# Allegro board 1155001-Timing_board_V3_20241024_1805_pcb.brd (continued)
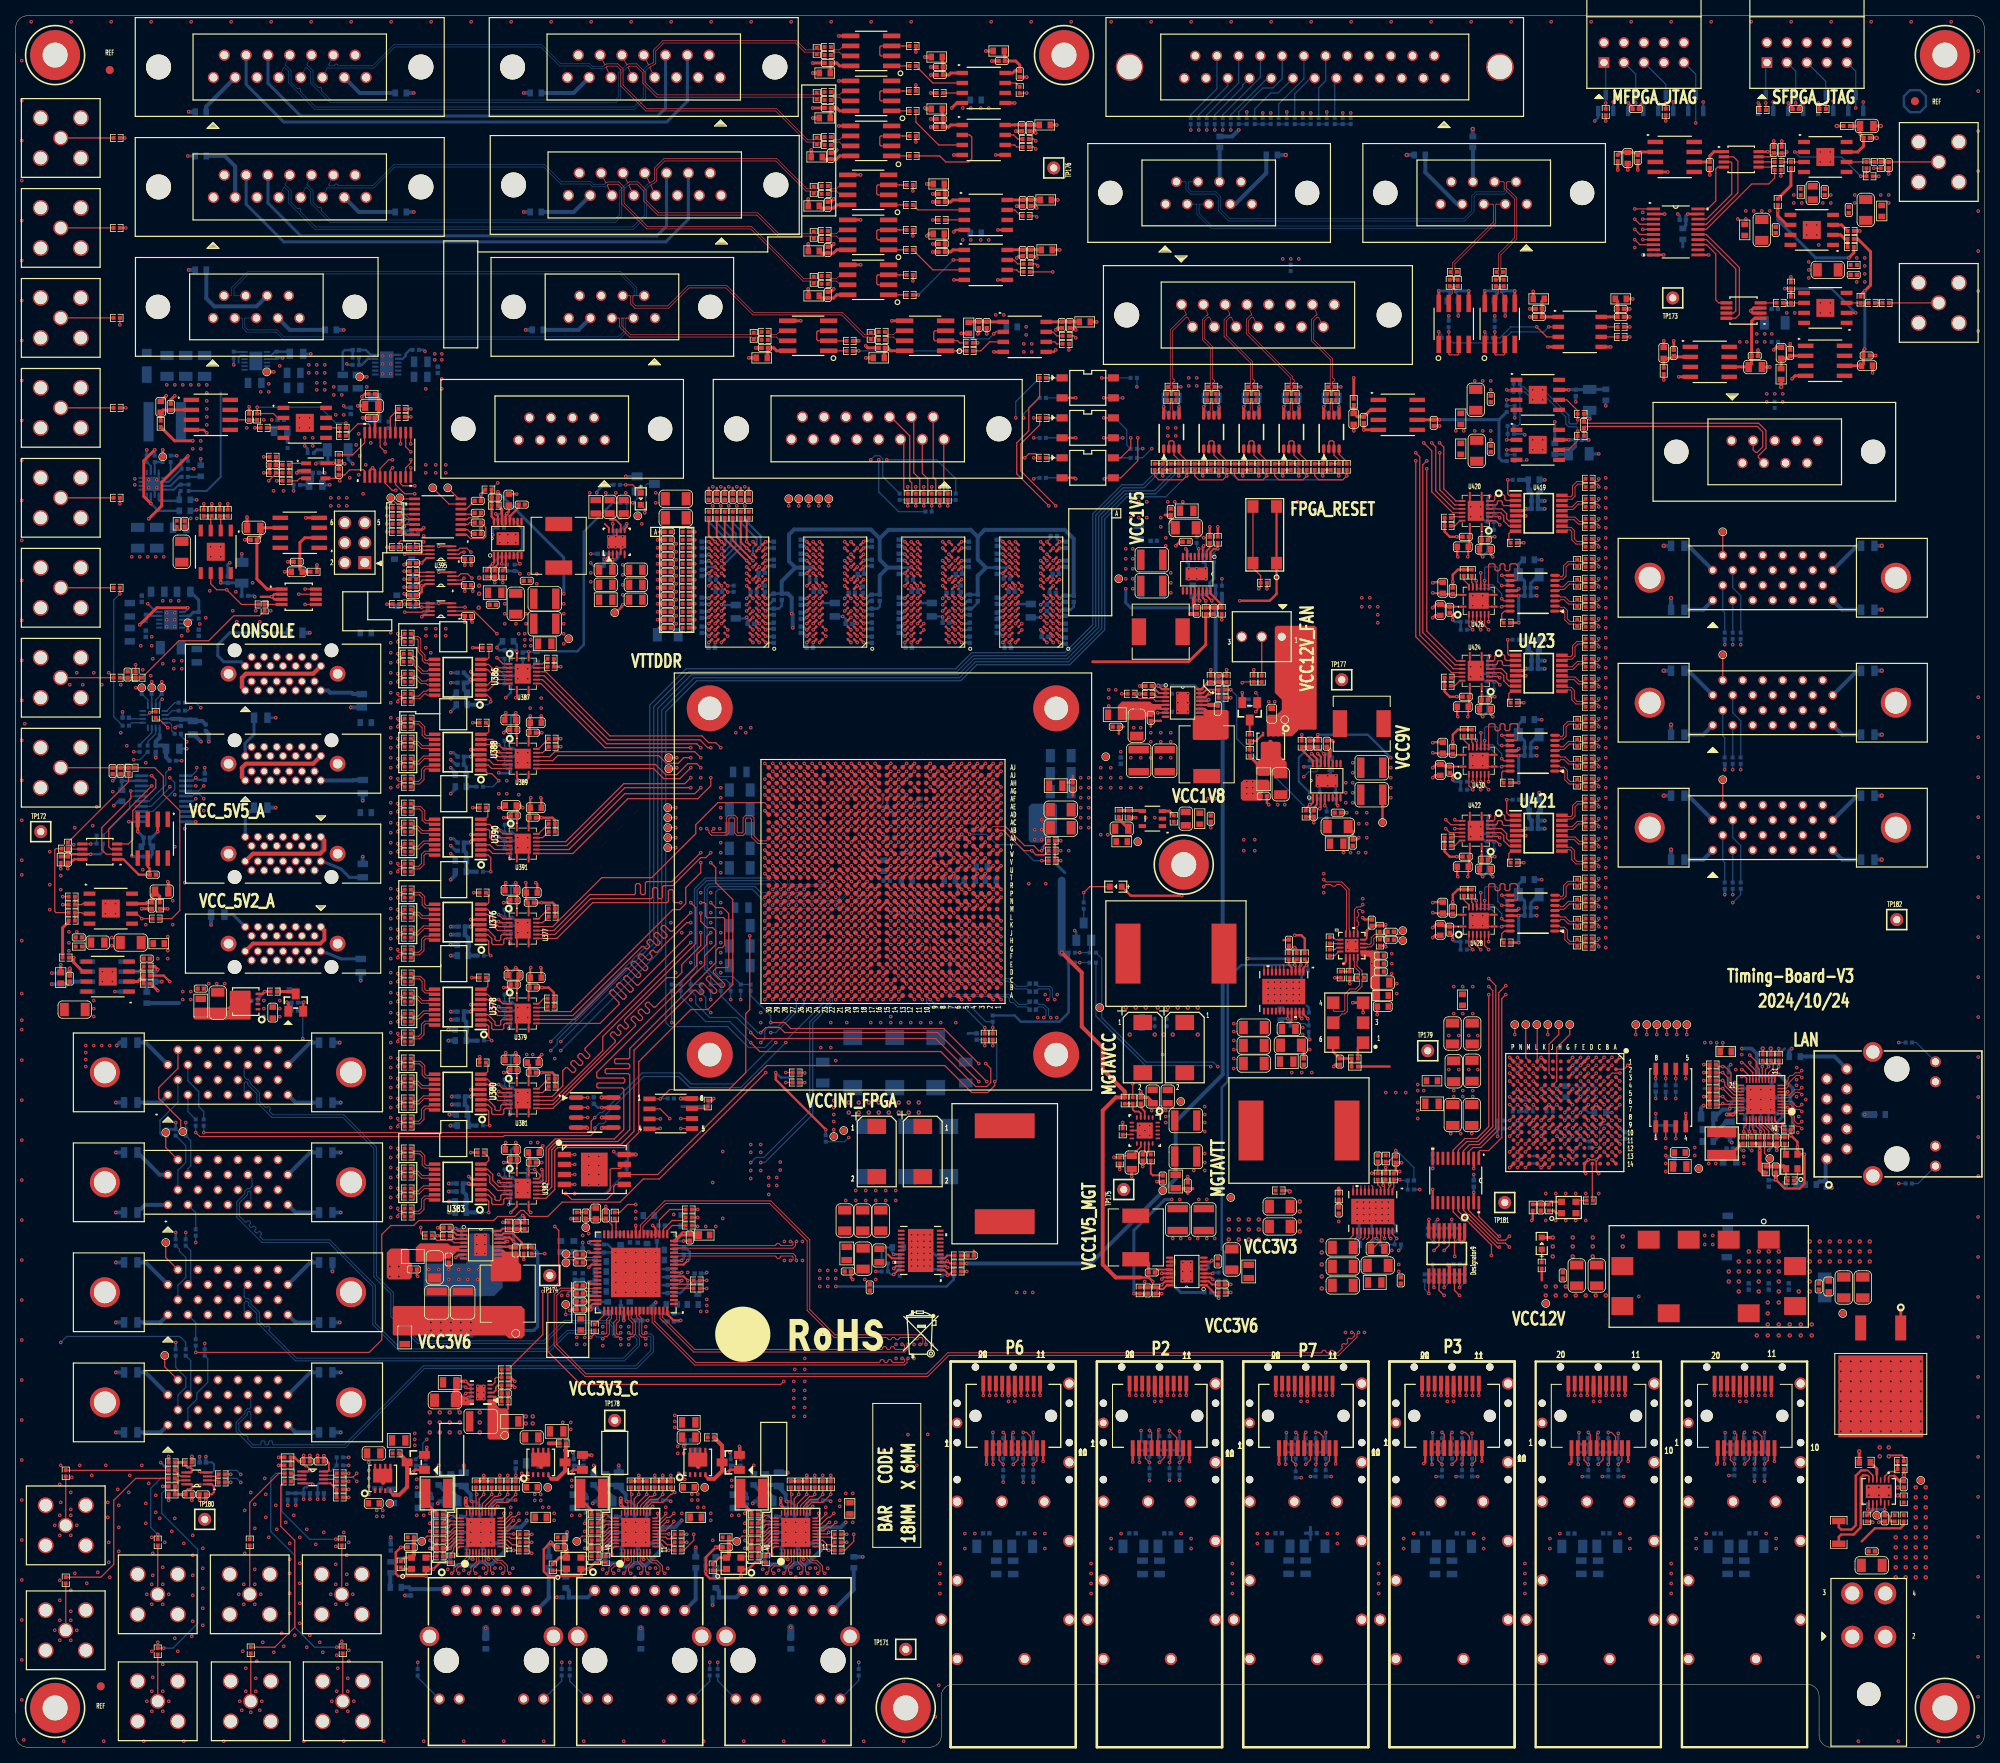
[diagram p0: board, top side]
## Routing (per net, layer and track width the routed paths; a pad name or vN(x,y) marks a point on that pad's centre or on a via; arc(x,y) is an arc through that point) (continued)
  ART08 w0.102: 94.64,113.6 96.35,113.6 96.54,113.79 96.54,114.38 96.77,114.6 97.03,114.6 97.14,114.71 v1(97.14,115)
EDS_CC2_P: length 91.5
  TOP w0.157: U247.Y28 v1(97.14,114)
  ART08 w0.099: 94.64,113.4 94.61,113.4 94.54,113.33 93.38,113.33 92.96,112.9 91.69,112.9 91.32,112.53 90.61,112.53 90.24,112.9 68.83,112.9 66.98,111.05 65.7,111.05 65.6,110.95 65.6,110.59 65.3,110.29 64.62,110.29 64.32,110.59 64.32,110.95 64.22,111.05 63.82,111.05 63.72,110.95 63.72,110.59 63.42,110.29 62.74,110.29 62.44,110.59 62.44,110.95 62.35,111.05 61.69,111.05 58.37,107.73 57.05,107.73 56.12,106.81 56.12,106.67 56.28,106.51 56.28,106.09 55.8,105.61 55.37,105.61 55.22,105.76 55.08,105.76 54.8,105.48 54.8,105.34 54.95,105.19 54.95,104.76 54.47,104.28 54.05,104.28 53.89,104.44 53.75,104.44 53.47,104.15 53.47,104.01 53.63,103.86 53.63,103.43 53.14,102.95 52.72,102.95 52.56,103.11 52.43,103.11 51.21,101.89 50.52,101.89 50.22,102.19 50.22,103.34 50.12,103.44 49.72,103.44 49.62,103.34 49.62,102.19 49.32,101.89 47.31,101.89 45.68,100.26 45.68,99.93 45,99.25 44.58,99.25 43.93,99.89 43.79,99.89 43.51,99.61 43.51,99.47 44.15,98.83 44.15,98.41 42.77,97.02 42.77,96.88 43.28,96.36 43.28,95.94 42.8,95.45 42.38,95.45 41.86,95.97 40.85,95.97 40.75,95.87 40.75,95.1 40.45,94.8 39.77,94.8 39.47,95.1 39.47,95.87 39.37,95.97 38.98,95.97 38.88,95.87 38.88,95.1 38.58,94.8 37.9,94.8 37.6,95.1 37.6,95.87 37.5,95.97 37.1,95.97 36.74,96.32 36.74,96.93 36.64,97.03 36.24,97.03 36.14,97.13 36.14,97.33 36.24,97.42 36.64,97.42 36.74,97.52 36.74,97.72 36.64,97.82 36.24,97.82 36.14,97.92 36.14,98.12 36.24,98.22 36.64,98.22 36.74,98.32 36.74,98.51 36.64,98.61 36.24,98.61 36.14,98.71 36.14,98.91 36.24,99.01 36.64,99.01 36.74,99.11 36.74,99.59 J81.17
  ART08 w0.102: 94.64,113.4 96.44,113.4 96.74,113.7 96.74,114.29 96.85,114.4 97.03,114.4 97.14,114.29 v1(97.14,114)
EDS_CC3_N: length 87.4
  TOP w0.122: v1(88.65,116.71) 88.37,116.43 88.37,116.33 88.49,116.2 90.12,116.2 90.24,116.33 90.24,118.1 90.56,118.41 91.32,118.41 91.63,118.1 91.63,116.3 91.75,116.18 92.24,116.18 92.36,116.3 92.36,118.07 92.68,118.39 93.44,118.39 93.76,118.07 93.76,115.79 94.38,115.17 95.3,115.17 U247.AA30
  ART08 w0.099: J81.16 37.15,103.27 37.9,104.01 37.9,105.17 38,105.27 39.11,105.27 40.45,103.93 44.33,103.93 45.59,105.18 45.59,106.22 46.34,106.97 50.82,106.97 51.21,107.37 51.21,107.8 50.11,108.9 50.11,109.04 50.39,109.32 50.53,109.32 51.62,108.23 52.08,108.23 53.18,109.33 53.18,109.89 54.83,111.54 55.68,111.54 55.77,111.45 55.77,110.42 56.07,110.12 56.76,110.12 57.05,110.42 57.05,111.4 57.19,111.54 58.14,111.54 59.92,113.32 60.62,113.32 61.01,113.71 61.41,113.71 61.8,113.32 66.45,113.32 66.78,113.66 66.78,114.08 66.01,114.86 66.01,115 66.29,115.28 66.43,115.28 67.09,114.62 67.74,114.62 69.11,115.99 85.84,115.99 86.1,115.73 87.95,115.73 88.35,116.12 88.35,116.41 v1(88.65,116.71)
EDS_CC3_P: length 87.1
  TOP w0.122: v1(87.76,116.71) 88.04,116.43 88.04,116.19 88.35,115.87 90.26,115.87 90.57,116.19 90.57,117.96 90.69,118.08 91.18,118.08 91.3,117.96 91.3,116.16 91.62,115.85 92.38,115.85 92.69,116.16 92.69,117.94 92.82,118.06 93.3,118.06 93.43,117.94 93.43,115.66 94.25,114.83 95.3,114.83 U247.Y30
  ART08 w0.099: J81.3 37.55,104.64 37.55,105.31 37.85,105.61 39.25,105.61 40.59,104.27 41.24,104.27 41.34,104.37 41.34,104.89 41.44,104.99 41.64,104.99 41.73,104.89 41.73,104.37 41.83,104.27 42.03,104.27 42.13,104.37 42.13,104.89 42.23,104.99 42.43,104.99 42.53,104.89 42.53,104.37 42.63,104.27 44.19,104.27 45.24,105.32 45.24,106.36 46.2,107.31 50.67,107.31 50.87,107.51 50.87,107.65 49.76,108.76 49.76,109.18 50.25,109.67 50.67,109.67 51.76,108.58 51.93,108.58 52.83,109.47 52.83,110.04 54.68,111.89 55.82,111.89 56.12,111.59 56.12,110.57 56.22,110.47 56.61,110.47 56.71,110.57 56.71,111.55 57.05,111.89 58,111.89 59.78,113.67 60.48,113.67 60.86,114.05 61.55,114.05 61.94,113.67 66.31,113.67 66.44,113.8 66.44,113.94 65.67,114.72 65.67,115.14 66.15,115.62 66.57,115.62 67.23,114.96 67.6,114.96 68.97,116.33 85.98,116.33 86.24,116.07 87.81,116.07 88,116.27 88,116.47 v1(87.76,116.71)
EDS_CC4_N: length 91.2
  TOP w0.122: U247.Y29 v1(96.14,115)
  ART08 w0.099: J81.2 37.95,100.95 38.81,100.09 38.81,97.51 38.97,97.35 40.45,97.35 41.94,98.83 41.94,100.36 43.48,101.9 43.91,101.9 44.63,101.18 44.77,101.18 45.05,101.46 45.05,101.6 44.33,102.32 44.33,102.75 44.81,103.23 45.23,103.23 45.95,102.51 46.09,102.51 46.37,102.79 46.37,102.93 45.65,103.65 45.65,104.07 46.35,104.78 49.78,104.78 50.46,105.45 50.89,105.45 51.84,104.49 51.98,104.49 52.26,104.78 52.26,104.92 51.31,105.87 51.31,106.3 51.79,106.78 52.21,106.78 53.17,105.82 53.31,105.82 53.59,106.1 53.59,106.24 52.63,107.2 52.63,107.62 53.11,108.1 53.54,108.1 54.5,107.15 54.63,107.15 54.92,107.43 54.92,107.57 53.96,108.53 53.96,108.95 54.48,109.47 57.32,109.47 60.24,112.39 66.42,112.39 69.18,115.15 84.11,115.15 84.74,114.52 85.15,114.52 85.25,114.62 85.25,114.75 85.55,115.05 86.23,115.05 86.53,114.75 86.53,114.62 86.63,114.52 87.03,114.52 87.13,114.62 87.13,114.75 87.43,115.05 88.11,115.05 88.41,114.75 88.41,114.62 88.51,114.52 90.13,114.52 90.23,114.62 90.23,115.33 90.53,115.63 91.21,115.63 91.51,115.33 91.51,114.62 91.61,114.52 92.44,114.52 92.69,114.77 92.69,115.3 92.99,115.6 93.67,115.6 93.97,115.3 93.97,114.77 94.07,114.67 94.54,114.67 94.61,114.6 94.64,114.6
  ART08 w0.102: v1(96.14,115) 96.14,114.7 96.04,114.6 94.64,114.6
EDS_CC4_P: length 91.8
  TOP w0.122: U247.W29 v1(96.14,114)
  ART08 w0.099: 94.64,114.4 94.61,114.4 94.54,114.33 93.92,114.33 93.62,114.63 93.62,115.15 93.53,115.25 93.13,115.25 93.03,115.15 93.03,114.63 92.58,114.18 91.47,114.18 91.17,114.48 91.17,115.19 91.07,115.29 90.67,115.29 90.57,115.19 90.57,114.48 90.27,114.18 88.36,114.18 88.06,114.48 88.06,114.61 87.96,114.71 87.57,114.71 87.47,114.61 87.47,114.48 87.17,114.18 86.49,114.18 86.19,114.48 86.19,114.61 86.09,114.71 85.69,114.71 85.59,114.61 85.59,114.48 85.29,114.18 84.59,114.18 83.96,114.81 69.32,114.81 66.56,112.05 60.38,112.05 57.46,109.13 54.63,109.13 54.3,108.81 54.3,108.67 55.26,107.71 55.26,107.29 54.78,106.8 54.35,106.8 53.4,107.76 53.26,107.76 52.98,107.48 52.98,107.34 53.93,106.38 53.93,105.96 53.45,105.48 53.03,105.48 52.07,106.44 51.93,106.44 51.65,106.16 51.65,106.02 52.61,105.06 52.61,104.63 52.12,104.15 51.7,104.15 50.74,105.11 50.6,105.11 49.93,104.43 46.5,104.43 46,103.93 46,103.79 46.72,103.07 46.72,102.65 46.24,102.16 45.81,102.16 45.09,102.88 44.95,102.88 44.67,102.6 44.67,102.46 45.39,101.74 45.39,101.32 44.91,100.84 44.49,100.84 43.76,101.56 43.62,101.56 42.28,100.22 42.28,98.69 42.04,98.45 42.04,98.31 42.11,98.24 42.11,98.1 41.97,97.96 41.83,97.96 41.76,98.03 41.62,98.03 41.48,97.89 41.48,97.75 41.57,97.66 41.57,97.52 41.43,97.38 41.28,97.38 41.2,97.47 41.06,97.47 40.59,97 38.83,97 38.47,97.36 38.47,97.77 38.37,97.87 37.82,97.87 37.72,97.97 37.72,98.17 37.82,98.27 38.37,98.27 38.47,98.37 38.47,98.56 38.37,98.66 37.81,98.66 37.71,98.76 37.71,98.96 37.81,99.06 38.37,99.06 38.47,99.16 38.47,99.46 J81.15
  ART08 w0.102: 94.64,114.4 96.04,114.4 96.14,114.3 v1(96.14,114)
EDS_CLK_N_C: length 44
  TOP w0.122: R2990.2 49.04,114.47 48.64,114.47 48.51,114.59 v1(48.51,114.81)
  ART05 w0.099: v1(48.51,114.81) 48.18,114.47 47.1,114.47 46.72,114.84 46.72,117.51 46.27,117.96 44.84,117.96 44.54,117.66 44.54,115.08 44.45,114.98 44.05,114.98 43.95,115.08 43.95,117.66 43.65,117.96 41.41,117.96 40.77,117.32 40.77,116.23 42.59,114.41 42.59,110.54 40.97,108.93 33.64,108.93 31.58,106.87 31.58,104.04 32.35,103.26 J81.22
EDS_CLK_P: length 34.4
  TOP w0.122: U247.AG29 v1(96.14,122)
  TOP w0.157: U391.11 70.24,114.06 77.34,121.16 86.23,121.16 v1(87,121.92)
  ART08 w0.117: v1(87,121.92) 87.41,121.51 95.64,121.51 v1(96.14,122)
EDS_CLK_P_C: length 44.1
  TOP w0.122: v1(48.51,113.79) 48.51,114.01 48.64,114.13 49.04,114.13 R2989.2
  ART05 w0.099: J81.9 31.92,104.67 31.92,104.97 32.02,105.07 32.37,105.07 32.47,105.17 32.47,105.37 32.37,105.46 32.02,105.46 31.92,105.56 31.92,105.76 32.02,105.86 32.37,105.86 32.47,105.96 32.47,106.16 32.37,106.26 32.02,106.26 31.92,106.36 31.92,106.72 32.44,107.25 32.58,107.25 32.73,107.1 32.87,107.1 33.01,107.24 33.01,107.38 32.87,107.53 32.87,107.67 33.01,107.81 33.15,107.81 33.29,107.66 33.43,107.66 33.57,107.8 33.57,107.94 33.43,108.09 33.43,108.23 33.78,108.58 34.54,108.58 34.64,108.49 34.64,108.4 34.74,108.3 34.93,108.3 35.03,108.4 35.03,108.49 35.13,108.58 35.33,108.58 35.43,108.49 35.43,108.4 35.53,108.3 35.73,108.3 35.83,108.4 35.83,108.49 35.93,108.58 36.12,108.58 36.22,108.49 36.22,108.4 36.32,108.3 36.52,108.3 36.62,108.4 36.62,108.49 36.72,108.58 41.11,108.58 42.93,110.4 42.93,114.56 41.11,116.37 41.11,117.18 41.55,117.62 43.51,117.62 43.61,117.52 43.61,114.94 43.91,114.64 44.59,114.64 44.89,114.94 44.89,117.52 44.99,117.62 46.13,117.62 46.38,117.37 46.38,114.7 46.95,114.13 48.18,114.13 v1(48.51,113.79)
EDS_CLK_P_H: length 3.8
  TOP w0.157: U390.3 60.22,114.66 60.82,114.06 U391.6
EDS_DATA0_N: length 96.5
  TOP w0.157: U247.AB25 v1(100.14,117)
  ART08 w0.099: 94.64,109.4 94.61,109.4 94.54,109.33 85.18,109.33 84.85,109 69.89,109 67.22,106.34 64.3,106.34 61.86,103.9 60.57,103.9 50.43,93.76 45.74,93.76 42.94,90.97 31.99,90.97 30.37,92.59 30.37,97.78 30.27,97.88 29.82,97.88 29.72,97.98 29.72,98.18 29.82,98.28 30.27,98.28 30.37,98.37 30.37,98.57 30.27,98.67 29.82,98.67 29.72,98.77 29.72,98.97 29.82,99.07 30.27,99.07 30.37,99.17 30.37,99.56 J81.25
  ART08 w0.102: v1(100.14,117) 100.14,116.7 100.24,116.6 100.47,116.6 100.74,116.33 100.74,110.39 99.75,109.4 94.64,109.4
EDS_DATA0_P: length 96.4
  TOP w0.157: U247.AA25 v1(100.14,116)
  ART08 w0.099: 94.64,109.6 94.61,109.6 94.54,109.67 85.03,109.67 84.71,109.34 69.74,109.34 67.08,106.68 64.16,106.68 61.72,104.24 60.43,104.24 50.29,94.11 45.59,94.11 42.8,91.31 32.13,91.31 30.71,92.74 30.71,100.19 29.95,100.95 J81.12
  ART08 w0.102: 94.64,109.6 99.66,109.6 100.54,110.48 100.54,116.25 100.38,116.4 100.24,116.4 100.14,116.3 v1(100.14,116)
EDS_DATA1_N: length 88.2
  TOP w0.122: U247.AE29 v1(96.14,120)
  ART08 w0.099: J81.24 30.75,103.26 29.95,104.07 29.95,107.01 31.61,108.67 40.39,108.67 44.88,113.16 51.05,113.16 52.18,114.28 52.18,114.42 50.69,115.91 50.69,116.33 51.17,116.81 51.59,116.81 53.08,115.33 53.22,115.33 53.5,115.61 53.5,115.75 52.01,117.23 52.01,117.66 52.5,118.14 52.92,118.14 54.41,116.65 54.55,116.65 55.5,117.6 66.87,117.6 69.43,120.17 93.19,120.17 93.69,119.67 94.54,119.67 94.61,119.6 94.64,119.6
  ART08 w0.102: 94.64,119.6 96.04,119.6 96.14,119.7 v1(96.14,120)
EDS_DATA1_P: length 88.7
  TOP w0.122: U247.AD29 v1(96.14,119)
  ART08 w0.099: 94.64,119.4 94.61,119.4 94.54,119.33 93.55,119.33 93.05,119.82 69.57,119.82 67.01,117.26 55.64,117.26 54.69,116.31 54.27,116.31 52.78,117.8 52.64,117.8 52.36,117.52 52.36,117.38 53.85,115.89 53.85,115.46 53.36,114.98 52.94,114.98 51.45,116.47 51.31,116.47 51.03,116.19 51.03,116.05 52.52,114.56 52.52,114.14 51.2,112.81 45.02,112.81 40.54,108.33 31.75,108.33 30.29,106.87 30.29,106.47 30.39,106.38 31.38,106.38 31.48,106.28 31.48,106.08 31.38,105.98 30.39,105.98 30.29,105.88 30.29,105.68 30.39,105.58 31.38,105.58 31.48,105.48 31.48,105.29 31.38,105.19 30.39,105.19 30.29,105.09 30.29,104.7 J81.11
  ART08 w0.102: v1(96.14,119) 96.14,119.3 96.04,119.4 94.64,119.4
EDS_DATA2_N: length 94
  TOP w0.122: U247.AA26 v1(99.14,115)
  ART08 w0.099: J81.23 31.94,99.59 31.94,98.88 31.84,98.79 31.77,98.79 31.67,98.69 31.67,98.49 31.77,98.39 31.84,98.39 31.94,98.29 31.94,98.09 31.84,97.99 31.77,97.99 31.67,97.89 31.67,97.7 31.77,97.6 31.84,97.6 31.94,97.5 31.94,96.98 32.26,96.67 32.26,92.71 32.98,91.99 42.46,91.99 46.77,96.3 49.67,96.3 50.37,97 50.51,97 50.87,96.63 51.3,96.63 51.78,97.12 51.78,97.54 51.41,97.91 51.41,98.05 51.69,98.33 51.83,98.33 52.25,97.91 52.67,97.91 53.16,98.39 53.16,98.82 52.74,99.23 52.74,99.37 53.02,99.65 53.16,99.65 53.6,99.21 54.02,99.21 54.51,99.69 54.51,100.12 54.07,100.56 54.07,100.7 54.5,101.13 55.9,101.13 58.76,104 58.76,104.76 61.99,107.99 67.07,107.99 69.41,110.33 94.54,110.33 94.61,110.4 94.64,110.4
  ART08 w0.102: v1(99.14,115) 99.14,114.7 99.24,114.6 99.47,114.6 99.74,114.33 99.74,110.7 99.44,110.4 94.64,110.4
EDS_DATA2_P: length 95.4
  TOP w0.122: v1(99.14,114) U247.Y26
  ART08 w0.099: 94.64,110.6 94.61,110.6 94.54,110.67 69.27,110.67 66.93,108.33 61.85,108.33 58.42,104.9 58.42,104.14 55.75,101.47 54.36,101.47 53.72,100.84 53.72,100.42 54.16,99.98 54.16,99.84 53.88,99.55 53.74,99.55 53.3,99.99 52.88,99.99 52.4,99.51 52.4,99.09 52.81,98.67 52.81,98.53 52.53,98.25 52.39,98.25 51.98,98.67 51.55,98.67 51.07,98.19 51.07,97.76 51.44,97.4 51.44,97.26 51.15,96.98 51.01,96.98 50.65,97.34 50.23,97.34 49.53,96.65 46.63,96.65 42.31,92.33 33.12,92.33 32.6,92.85 32.6,96.81 32.29,97.13 32.29,100.22 31.55,100.95 J81.10
  ART08 w0.102: 94.64,110.6 99.35,110.6 99.54,110.79 99.54,114.25 99.38,114.4 99.24,114.4 99.14,114.3 v1(99.14,114)
EDS_DATA3_N: length 91.2
  TOP w0.122: U247.AB28 v1(98.14,116)
  ART08 w0.099: J81.21 33.54,99.59 33.54,98.9 33.44,98.81 33.34,98.81 33.24,98.71 33.24,98.51 33.34,98.41 33.44,98.41 33.54,98.31 33.54,98.11 33.44,98.01 33.34,98.01 33.24,97.91 33.24,97.72 33.34,97.62 33.44,97.62 33.54,97.52 33.54,97.04 34.9,95.68 34.9,93.24 35.2,92.94 37.27,92.94 37.57,93.24 37.57,93.75 37.67,93.85 38.07,93.85 38.17,93.75 38.17,93.24 38.47,92.94 39.15,92.94 39.45,93.24 39.45,93.75 39.55,93.85 42.55,93.85 45.55,96.86 45.55,98.16 46.5,99.1 50.82,99.1 54.12,102.4 55.64,102.4 57.02,103.78 57.02,105.33 58.02,106.34 58.46,106.34 61.13,109 66.56,109 69.36,111.8 86,111.8 86.22,111.58 92.43,111.58 92.69,111.33 94.54,111.33 94.61,111.4 94.64,111.4
  ART08 w0.102: v1(98.14,116) 98.43,116 98.54,116.1 98.54,116.3 98.43,116.4 97.86,116.4 97.74,116.28 97.74,114.7 97.84,114.6 98.41,114.6 98.74,114.27 98.74,111.75 98.39,111.4 94.64,111.4
EDS_DATA3_P: length 93.5
  TOP w0.122: U247.AA27 v1(99.14,116)
  ART08 w0.099: J81.8 33.15,100.95 33.89,100.22 33.89,97.18 35.24,95.82 35.24,93.38 35.34,93.28 37.13,93.28 37.23,93.38 37.23,93.9 37.53,94.2 38.21,94.2 38.51,93.9 38.51,93.38 38.61,93.28 39,93.28 39.1,93.38 39.1,93.9 39.4,94.2 42.4,94.2 45.21,97.01 45.21,98.3 46.35,99.44 50.67,99.44 53.98,102.74 55.5,102.74 56.68,103.92 56.68,105.48 57.88,106.68 58.32,106.68 60.98,109.35 66.42,109.35 69.22,112.14 86.15,112.14 86.36,111.93 92.58,111.93 92.83,111.67 94.54,111.67 94.61,111.6 94.64,111.6
  ART08 w0.102: v1(99.14,116) 98.84,116 98.74,116.1 98.74,116.38 98.52,116.6 97.77,116.6 97.54,116.37 97.54,114.62 97.76,114.4 98.33,114.4 98.54,114.19 98.54,111.83 98.3,111.6 94.64,111.6
EDS_TC_N_C: length 44
  TOP w0.122: v1(48.51,116.33) 48.51,116.55 48.64,116.67 49.04,116.67 R2992.2
  ART05 w0.099: J81.7 34.35,104.64 34.35,105.07 34.25,105.17 33.39,105.17 33.29,105.27 33.29,105.47 33.39,105.57 34.25,105.57 34.35,105.66 34.35,105.86 34.25,105.96 33.39,105.96 33.29,106.06 33.29,106.26 33.39,106.36 34.25,106.36 34.35,106.46 34.35,107.31 34.74,107.7 36.25,107.7 36.55,107.4 36.55,106.65 36.65,106.56 37.04,106.56 37.14,106.65 37.14,107.4 37.44,107.7 38.12,107.7 38.42,107.4 38.42,106.65 38.52,106.56 38.92,106.56 39.02,106.65 39.02,107.4 39.32,107.7 40,107.7 40.3,107.4 40.3,106.65 40.4,106.56 40.79,106.56 40.89,106.65 40.89,107.4 41.19,107.7 42.41,107.7 42.98,107.13 42.98,104.47 43.35,104.1 44.95,104.1 46.3,105.45 46.3,109.39 47.27,110.36 48.79,110.36 49.53,111.1 49.53,116.57 49.43,116.67 48.85,116.67 v1(48.51,116.33)
EDS_TC_P: length 37.3
  TOP w0.157: v1(85.72,121.92) 77.34,121.92 69.98,114.56 U391.12 ; U247.AD27 v1(98.14,119)
  ART08 w0.117: v1(85.72,121.92) 86.58,121.06 93.69,121.06 94.23,120.52 96.27,120.52 96.65,120.14 96.65,119.63 96.77,119.51 97.63,119.51 v1(98.14,119)
EDS_TC_P_C: length 44
  TOP w0.122: v1(48.51,117.35) 48.51,117.13 48.64,117.01 49.04,117.01 R2991.2
  ART05 w0.099: J81.20 33.95,103.27 34.7,104.01 34.7,107.17 34.88,107.35 36.11,107.35 36.21,107.25 36.21,106.51 36.51,106.21 37.19,106.21 37.49,106.51 37.49,107.25 37.59,107.35 37.98,107.35 38.08,107.25 38.08,106.51 38.38,106.21 39.06,106.21 39.36,106.51 39.36,107.25 39.46,107.35 39.86,107.35 39.96,107.25 39.96,106.51 40.26,106.21 40.94,106.21 41.24,106.51 41.24,107.25 41.33,107.35 42.27,107.35 42.63,106.98 42.63,104.33 43.21,103.76 45.09,103.76 46.64,105.31 46.64,109.25 47.41,110.02 48.93,110.02 49.87,110.96 49.87,116.71 49.57,117.01 48.85,117.01 v1(48.51,117.35)
EDS_TC_P_H: length 5
  TOP w0.157: U390.6 60.04,116.61 60.2,116.45 60.2,115.57 61.21,114.56 U391.5
EDS_TFG_N_C: length 42.9
  TOP w0.122: v1(48.51,119.89) 48.51,119.67 48.64,119.55 49.04,119.55 R2994.2
  ART05 w0.099: v1(48.51,119.89) 48.85,119.55 50.48,119.55 50.93,119.1 50.93,101.37 48.66,99.1 43.32,99.1 41.35,97.13 36.88,97.13 36.29,97.72 36.15,97.72 36,97.57 35.86,97.57 35.72,97.71 35.72,97.85 35.87,98 35.87,98.14 35.73,98.28 35.59,98.28 35.45,98.14 35.31,98.14 35.17,98.28 35.17,98.42 35.31,98.56 35.31,98.7 35.14,98.86 35.14,100.07 35.06,100.15 34.92,100.15 J81.19
EDS_TFG_P: length 33.6
  TOP w0.122: U247.AG30 v1(95.14,122)
  TOP w0.157: v1(85.72,123.19) 84.96,122.43 77.22,122.43 69.85,115.06 U391.13
  ART08 w0.117: v1(95.14,122) 94.47,122 94.09,122.38 86.54,122.38 v1(85.72,123.19)
EDS_TFG_P_C: length 42.8
  TOP w0.122: R2993.2 49.04,119.21 48.64,119.21 48.51,119.09 v1(48.51,118.87)
  ART05 w0.099: v1(48.51,118.87) 48.85,119.21 50.34,119.21 50.58,118.96 50.58,101.51 48.51,99.44 43.18,99.44 41.21,97.47 37.02,97.47 35.49,99.01 35.49,100.22 34.75,100.95 J81.6
EDS_TFG_P_H: length 5.1
  TOP w0.157: U390.7 60.2,117.26 60.58,116.88 60.58,115.82 61.34,115.06 U391.4
EEPROM_CS_B: length 41.1
  TOP w0.157: U6.1 v1(81.87,82.38) 83.06,83.57 90.55,83.57 92.71,85.72 92.71,93.22 93.22,93.73 v1(93.22,103.1) ; U247.J24 v1(101.14,103)
  ART03 w0.117: v1(93.22,103.1) 93.62,103.5 100.33,103.5 100.84,103 v1(101.14,103)
  BOTTOM w0.157: R277.2 81.92,82.42 v1(81.87,82.38)
EEPROM_SCK: length 48.6
  TOP w0.157: U247.K24 v1(101.14,104) ; U6.6 v1(84.45,79.88)
  ART03 w0.102: v1(101.14,104) 101.57,104 101.97,104.4 102.33,104.4 102.54,104.19 102.54,103.65 102.87,103.31 102.87,102.89 103.54,102.23 103.54,94.46 103.64,94.35
  ART03 w0.117: v1(103.89,80.39) 102.97,81.31 102.97,87.63 103.92,88.58 103.92,94.07 103.64,94.35
  ART05 w0.117: v1(84.45,79.88) 103.38,79.88 v1(103.89,80.39)
EEPROM_SI: length 49.7
  TOP w0.157: U6.5 v1(84.45,78.61) ; U247.L23 v1(102.14,105)
  ART03 w0.102: 104,94.5 103.74,94.76 103.74,102.31 103.07,102.98 103.07,103.4 102.74,103.73 102.74,104.4 v1(102.14,105)
  ART03 w0.117: 104,94.5 104.55,93.95 104.55,88.55 103.38,87.38 103.38,81.79 v1(103.89,81.28)
  ART05 w0.117: v1(84.45,78.61) 83.95,79.12 83.95,80.15 84.11,80.31 102.92,80.31 v1(103.89,81.28)
EEPROM_SO: length 49.8
  TOP w0.157: U6.2 81.83,81.11 v1(83.06,79.88) ; U247.L22 v1(103.14,105)
  ART03 w0.117: v1(103.14,105) 103.64,104.5 103.64,102.86 104,102.5 104.38,102.5 104.64,102.25 104.64,94.88 104.92,94.59 104.92,83.21 v1(103.89,82.17)
  ART05 w0.117: v1(103.89,82.17) 102.36,80.64 83.82,80.64 v1(83.06,79.88)
EEPROM_WP_B: length 51.1
  TOP w0.157: U6.3 v1(81.87,79.84) ; U247.K23 v1(102.14,104)
  ART03 w0.102: 102.86,94.5 102.74,94.62 102.74,99.35 102.62,99.47 102.62,103.28 102.33,103.56 102.33,103.8 v1(102.14,104)
  ART03 w0.117: 102.86,94.5 103.09,94.27 103.09,88.36 102.67,87.94 102.67,80.71 v1(103.89,79.5)
  ART05 w0.117: v1(81.87,79.84) 83.73,77.98 101.35,77.98 102.87,79.5 v1(103.89,79.5)
FAN_FG: length 89.1
  TOP w0.157: R1929.2 R1928.2 155.88,135.36 v1(155.77,135.25) ; U247.B19 v1(106.14,96)
  ART03 w0.102: v1(106.14,96) 105.8,96 105.54,96.27 105.54,102.78
  ART03 w0.117: 105.54,102.78 105.66,102.91 105.66,107.44 105.79,107.57 132.08,107.57 139.83,115.32 v1(155.96,115.32)
  ART08 w0.117: v1(155.96,115.32) 155.35,115.92 155.35,134.84 v1(155.77,135.25)
FAST_SHUTTER_IN1: length 186.6
  TOP w0.157: U247.A25 v1(100.14,95)
  ART03 w0.117: v1(143.13,165) 142.75,164.62 74.3,164.62 68.4,158.72 60.07,158.72 54.79,153.43 54.79,143.08 56.24,141.63 56.24,137.82 56.95,137.11 56.95,135.17 58.42,133.7 58.42,132.18 59.31,131.29 59.31,117.13 61.28,115.16 68.23,115.16 87,96.39 88.52,96.39 93.34,91.57 95.12,91.57 v1(95.89,90.81)
  BOTTOM w0.157: v1(100.14,95) 100.14,94.42 96.52,90.81 v1(95.89,90.81) ; v1(143.13,165) 143.1,164.97 R2405.1
FAST_SHUTTER_IN1+: length 23.7
  ART10 w0.117: J103.4 109.59,165.49 110.24,164.85 125.57,164.85 128.36,167.64 129.03,167.64 129.29,167.89 v1(129.29,168.91)
  BOTTOM w0.157: R2424.2 v1(129.29,168.91)
FAST_SHUTTER_IN1-: length 27.5
  ART10 w0.117: J103.12 108.2,165.86 109.51,164.55 125.69,164.55 128.48,167.34 129.07,167.34 129.29,167.13 v1(129.29,166.37)
  BOTTOM w0.157: R2425.2 v1(129.29,166.37)
FAST_SHUTTER_IN2: length 196.2
  TOP w0.157: U247.A26 v1(99.14,95)
  ART03 w0.117: v1(142.39,172.85) 143,172.23 143,166.12 141.81,164.92 74.17,164.92 69.27,160.02 60.96,160.02 54.48,153.54 54.48,142.88 55.91,141.45 55.91,137.64 56.64,136.91 56.64,134.94 58.04,133.54 58.04,132.08 59,131.11 59,117.02 61.24,114.79 68.09,114.79 87.63,95.25 87.63,94.87 92.33,90.17 93.98,90.17 v1(94.61,89.53)
  BOTTOM w0.157: v1(94.61,89.53) 95.12,90.04 95.12,91.06 95.63,91.57 96.77,91.57 99.14,93.93 v1(99.14,95) ; R2406.1 v1(142.39,172.85)
FAST_SHUTTER_IN2+: length 28.2
  ART08 w0.117: v1(127,168.91) 126.36,169.54 122.17,169.54 120.07,167.44 108.07,167.44 J103.5
  BOTTOM w0.157: v1(127,168.91) 127,170.96 R2426.2
FAST_SHUTTER_IN2-: length 27.7
  ART08 w0.117: v1(128.02,168.91) 127,169.93 122.02,169.93 119.91,167.82 106.64,167.82 J103.13
  BOTTOM w0.157: R2427.2 128.02,169.44 v1(128.02,168.91)
FAST_SHUTTER_IN3: length 187.7
  TOP w0.157: U247.D27 v1(98.14,98)
  ART03 w0.117: v1(94.61,92.08) 94.39,92.08 89.69,96.77 87.12,96.77 67.56,116.33 62.61,116.33 59.61,119.33 59.61,131.42 58.8,132.23 58.8,133.86 57.28,135.38 57.28,137.29 56.57,138 56.57,141.84 55.09,143.31 55.09,153.3 60.2,158.41 68.53,158.41 74.43,164.31 143.58,164.31 v1(144.27,165)
  ART08 w0.117: v1(94.61,92.08) 95.63,93.09 95.63,97.28 95.89,97.54 97.67,97.54 v1(98.14,98)
  BOTTOM w0.157: R2407.1 143.1,163.83 v1(144.27,165)
FAST_SHUTTER_IN3+: length 29.6
  ART10 w0.117: v1(129.29,163.83) 129.29,162.81 129.16,162.69 105.7,162.69 104.05,164.34 J103.6
  BOTTOM w0.157: R2428.2 v1(129.29,163.83)
FAST_SHUTTER_IN3-: length 33.4
  ART10 w0.117: v1(129.29,161.16) 129.29,162.18 129.07,162.39 105.58,162.39 102.66,165.31 J103.14
  BOTTOM w0.157: v1(129.29,161.16) 129.41,161.29 R2429.2
FAST_SHUTTER_OUT1: length 149.4
  TOP w0.157: U247.C30 v1(95.14,97)
  ART03 w0.117: v1(95.14,97) 93.08,99.06 88.27,99.06 86.11,101.22 84.71,101.22 66.93,119 65.66,119 64.14,120.52 62.23,120.52 61.85,120.9 61.85,121.54 60.83,122.56 60.83,135.76 58.93,137.67 58.93,142.7 57.73,143.89 56.77,143.89 56.32,144.34 56.32,152.84 60.71,157.23 69.03,157.23 74.93,163.13 107.38,163.13 107.75,162.76 109.8,162.76 v1(110.62,163.58)
  BOTTOM w0.157: R2411.2 119.38,161.16 116.97,163.58 v1(110.62,163.58)
FAST_SHUTTER_OUT1+: length 7.1
  TOP w0.157: R2418.1 117.86,159.79 117.86,166.14 J103.1
FAST_SHUTTER_OUT1-: length 10.1
  TOP w0.157: R2419.1 116.84,159.79 116.84,161.04 116.51,161.36 J103.9
FAST_SHUTTER_OUT2: length 149.5
  TOP w0.157: U247.B30 v1(95.14,96)
  ART03 w0.117: v1(95.14,96) 93.22,97.92 88.01,97.92 86.48,99.44 86.48,100.21 85.85,100.84 84.58,100.84 67.94,117.47 64.39,117.47 60.53,121.34 60.53,131.88 59.82,132.59 59.82,136.27 57.5,138.59 57.5,143.29 57.28,143.51 56.52,143.51 56.02,144 56.02,152.96 60.58,157.52 68.9,157.52 74.81,163.42 107.59,163.42 107.95,163.07 109.09,163.07 v1(109.6,163.58)
  BOTTOM w0.157: R2414.2 112.12,156.99 109.6,159.51 v1(109.6,163.58)
FAST_SHUTTER_OUT2+: length 7.4
  TOP w0.157: R2420.1 115.82,159.79 115.82,161.16 115.13,161.86 J103.2
FAST_SHUTTER_OUT2-: length 10.4
  TOP w0.157: R2421.1 114.81,159.79 114.81,161.16 114.05,161.93 114.05,168.72 J103.10
FAST_SHUTTER_OUT3: length 145.2
  TOP w0.157: U247.A30 v1(95.14,95)
  ART03 w0.117: v1(95.14,95) 92.6,97.54 87.88,97.54 86.19,99.23 86.19,99.87 85.72,100.33 84.58,100.33 67.82,117.09 64.26,117.09 60.22,121.13 60.22,131.67 59.49,132.41 59.49,136.09 57.2,138.38 57.2,142.03 55.73,143.51 55.73,153.08 60.46,157.82 68.78,157.82 74.69,163.72 107.81,163.72 107.95,163.58 v1(108.58,163.58)
  BOTTOM w0.157: R2417.2 110.11,161.44 110.11,163.7 109.73,164.08 109.09,164.08 v1(108.58,163.58)
FAST_SHUTTER_OUT3+: length 7.3
  TOP w0.157: R2422.1 112.78,159.79 112.78,165.77 J103.3
